# Altium PCB PCB1.PcbDoc (part 4 of 4)
Units mm, origin at the board's own origin, x right, y up, seen from the top; angles counter-clockwise.
Board outline 330.2 x 176.28 mm, 2 copper layers (Top Layer, Bottom Layer); 535 components, 753 nets, 2972 pads, 0 vias.
Unrouted connection lines stored in the file: 384.
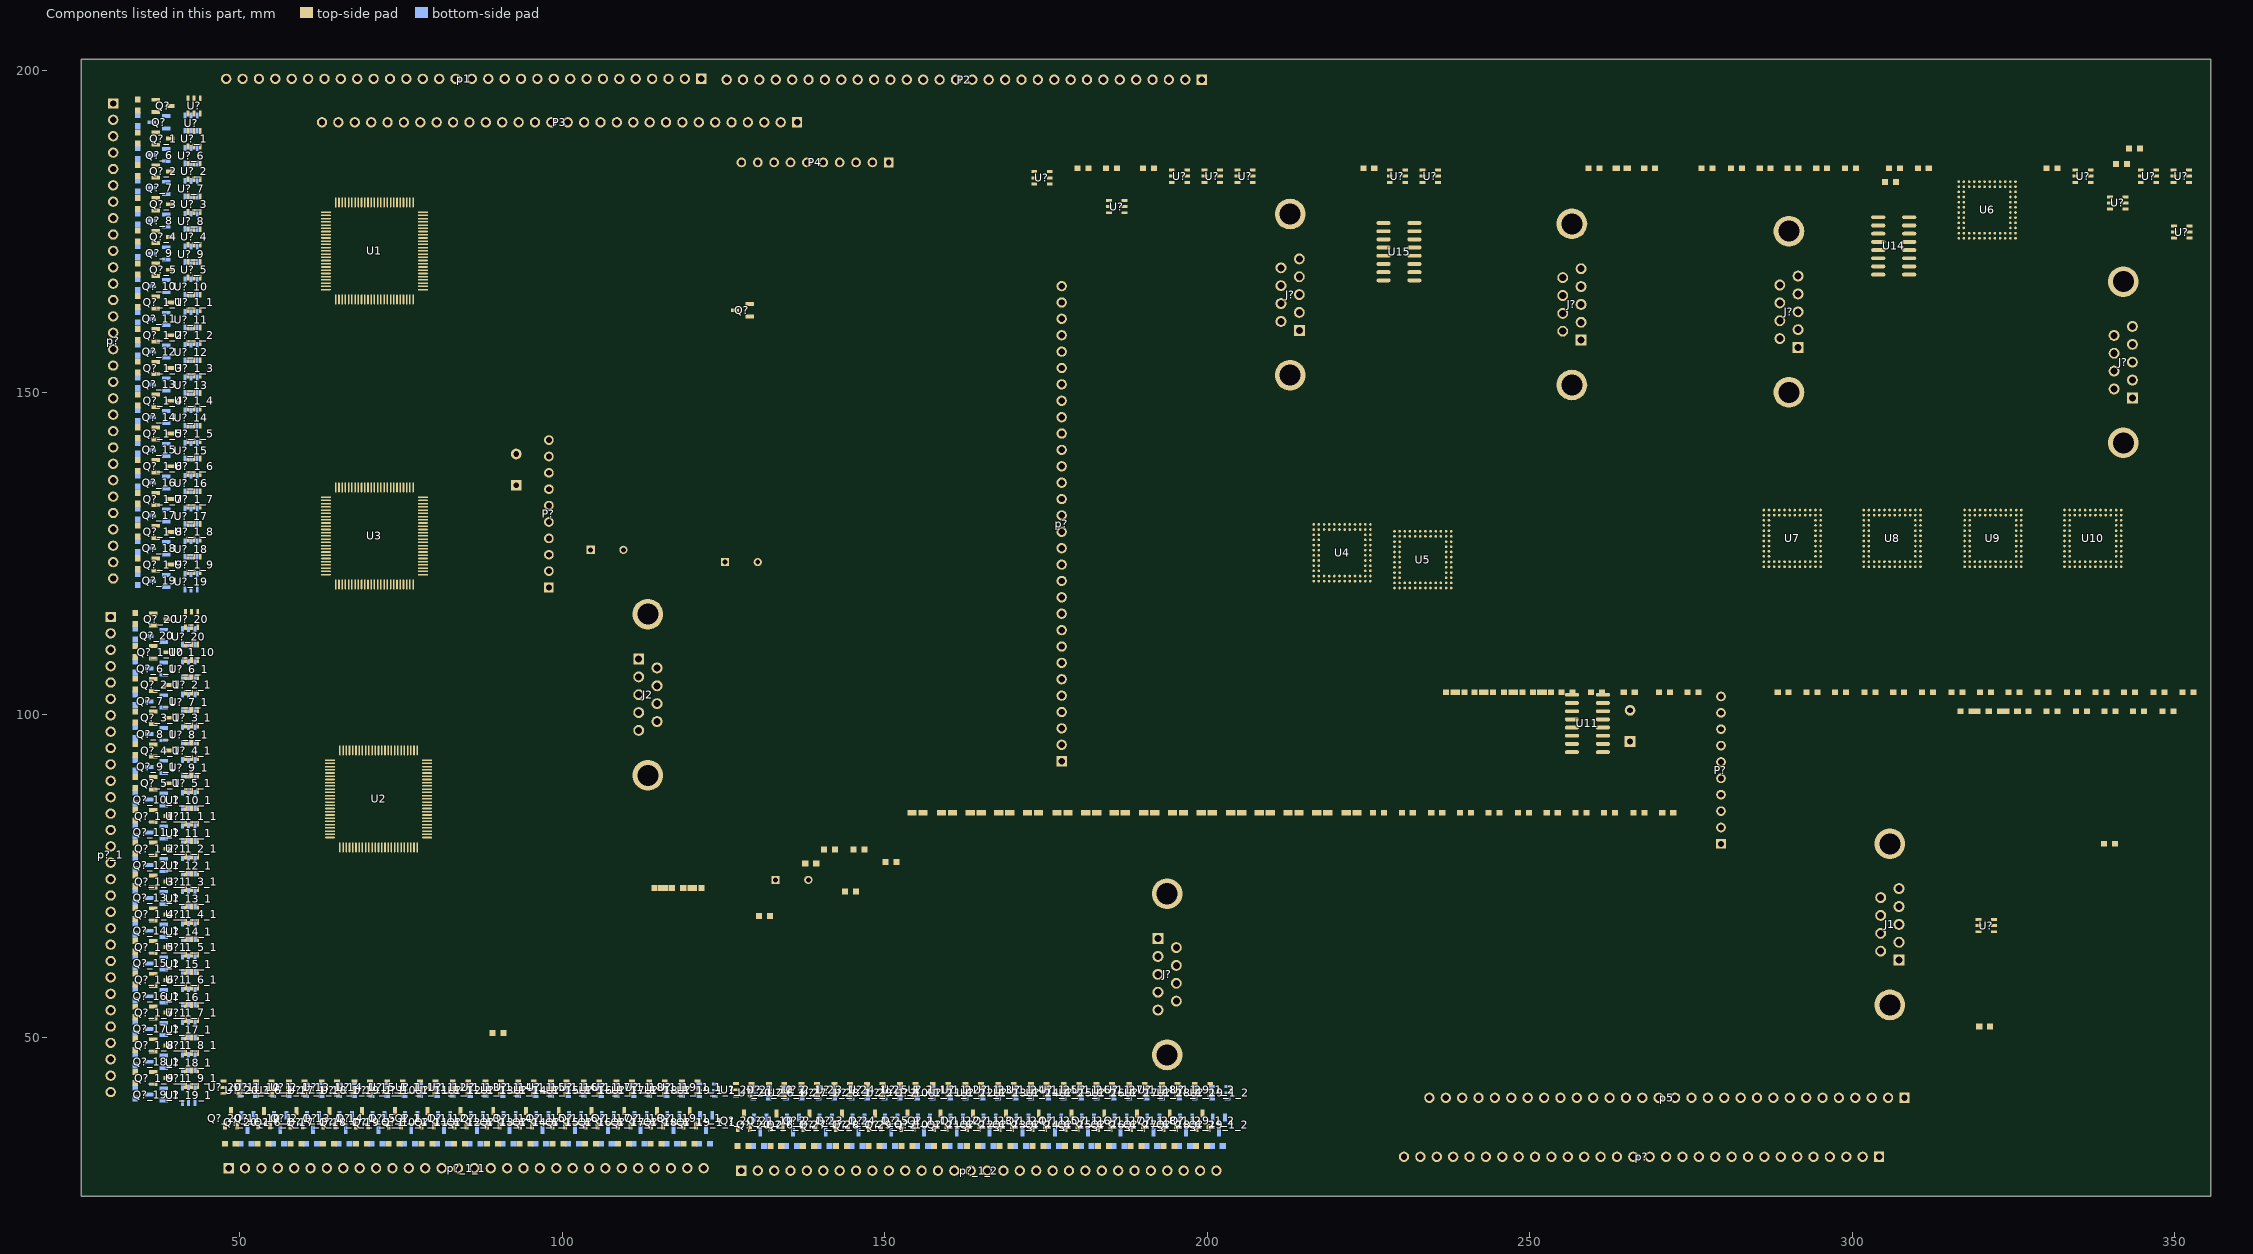
[diagram p4: the components of this part, seen from the top]

## Nets (pads, with @x,y where several pads share a name; then routed paths per layer and width w, separated by ;. In a path a pad name is that pad's centre, name@x,y a point inside that pad or via, vN(x,y) a via of type N, cw(c..) or ccw(c..) an arc to the next point about the centre after c; other vN are vias at no path point) (continued)
copper on no net: | length 3238.5
  Top Layer w0.254: 29.972,44.069 30.569,44.666 33.782,44.666 34.709,44.666 35.687,43.688 38.845,43.688 42.495,43.688 43.47,44.663 43.47,44.888 ; 29.972,49.149 30.569,49.746 33.782,49.746 34.709,49.746 35.687,48.768 38.845,48.768 42.495,48.768 43.47,49.743 43.47,49.968 ; 29.972,54.229 30.569,54.826 33.782,54.826 34.709,54.826 35.687,53.848 38.845,53.848 42.495,53.848 43.47,54.823 43.47,55.048 ; 29.972,59.309 30.569,59.906 33.782,59.906 34.709,59.906 35.687,58.928 38.845,58.928 42.495,58.928 43.47,59.903 43.47,60.128 ; 29.972,64.389 30.569,64.986 33.782,64.986 34.709,64.986 35.687,64.008 38.845,64.008 42.495,64.008 43.47,64.983 43.47,65.208 ; 29.972,69.469 30.569,70.066 33.782,70.066 34.709,70.066 35.687,69.088 38.845,69.088 42.495,69.088 43.47,70.063 43.47,70.288 ; 29.972,74.549 30.569,75.146 33.782,75.146 34.709,75.146 35.687,74.168 38.845,74.168 42.495,74.168 43.47,75.143 43.47,75.368 ; 29.972,79.629 30.569,80.226 33.782,80.226 34.709,80.226 35.687,79.248 38.845,79.248 42.495,79.248 43.47,80.223 43.47,80.448 ; 29.972,84.709 30.569,85.306 33.782,85.306 34.709,85.306 35.687,84.328 38.845,84.328 42.495,84.328 43.47,85.303 43.47,85.528 ; 29.972,110.109 30.569,110.706 33.782,110.706 34.709,110.706 35.687,109.728 38.845,109.728 42.495,109.728 43.47,110.703 43.47,110.928 ; 29.972,115.189 30.569,115.786 33.782,115.786 34.709,115.786 35.687,114.808 38.845,114.808 42.495,114.808 43.47,115.783 43.47,116.008 ; 30.569,90.386 33.782,90.386 34.709,90.386 35.687,89.408 38.845,89.408 42.495,89.408 43.47,90.383 43.47,90.608 ; 30.569,95.466 33.782,95.466 34.709,95.466 35.687,94.488 38.845,94.488 42.495,94.488 43.47,95.463 43.47,95.688 ; 30.569,100.546 33.782,100.546 34.709,100.546 35.687,99.568 38.845,99.568 42.495,99.568 43.47,100.543 43.47,100.768 ; 30.569,105.626 33.782,105.626 34.709,105.626 35.687,104.648 38.845,104.648 42.495,104.648 43.47,105.623 43.47,105.848 ; 33.782,42.964 33.782,42.939 34.099,42.621 34.125,42.621 35.217,41.529 41.786,41.529 42.52,42.263 42.52,42.488 ; 33.782,48.044 33.782,48.019 34.099,47.701 34.125,47.701 35.217,46.609 41.786,46.609 42.52,47.343 42.52,47.568 ; 33.782,53.124 33.782,53.099 34.099,52.781 34.125,52.781 35.217,51.689 41.786,51.689 42.52,52.423 42.52,52.648 ; 33.782,58.204 33.782,58.179 34.099,57.861 34.125,57.861 35.217,56.769 41.786,56.769 42.52,57.503 42.52,57.728 ; 33.782,63.284 33.782,63.259 34.099,62.941 34.125,62.941 35.217,61.849 41.786,61.849 42.52,62.583 42.52,62.808 ; 33.782,68.364 33.782,68.339 34.099,68.021 34.125,68.021 35.217,66.929 41.786,66.929 42.52,67.663 42.52,67.888 ; 33.782,73.444 33.782,73.419 34.099,73.101 34.125,73.101 35.217,72.009 41.786,72.009 42.52,72.743 42.52,72.968 ; 33.782,78.524 33.782,78.499 34.099,78.181 34.125,78.181 35.217,77.089 41.786,77.089 42.52,77.823 42.52,78.048 ; 33.782,83.604 33.782,83.579 34.099,83.261 34.125,83.261 35.217,82.169 41.786,82.169 42.52,82.903 42.52,83.128 ; 33.782,88.684 33.782,88.659 34.099,88.341 34.125,88.341 35.217,87.249 41.786,87.249 42.52,87.983 42.52,88.208 ; 33.782,93.764 33.782,93.739 34.099,93.421 34.125,93.421 35.217,92.329 41.786,92.329 42.52,93.063 42.52,93.288 ; 33.782,98.844 33.782,98.819 34.099,98.501 34.125,98.501 35.217,97.409 41.786,97.409 42.52,98.143 42.52,98.368 ; 33.782,103.924 33.782,103.899 34.099,103.581 34.125,103.581 35.217,102.489 41.786,102.489 42.52,103.223 42.52,103.448 ; 33.782,109.004 33.782,108.979 34.099,108.661 34.125,108.661 35.217,107.569 41.786,107.569 42.52,108.303 42.52,108.528 ; 33.782,114.084 33.782,114.059 34.099,113.741 34.125,113.741 35.217,112.649 41.786,112.649 42.52,113.383 42.52,113.608 ; 34.163,122.593 34.163,122.568 34.48,122.25 34.506,122.25 35.598,121.158 42.167,121.158 42.901,121.892 42.901,122.117 ; 34.163,127.673 34.163,127.648 34.48,127.33 34.506,127.33 35.598,126.238 42.167,126.238 42.901,126.972 42.901,127.197 ; 34.163,132.753 34.163,132.728 34.48,132.41 34.506,132.41 35.598,131.318 42.167,131.318 42.901,132.052 42.901,132.277 ; 34.163,137.833 34.163,137.808 34.48,137.49 34.506,137.49 35.598,136.398 42.167,136.398 42.901,137.132 42.901,137.357 ; 34.163,142.913 34.163,142.888 34.48,142.57 34.506,142.57 35.598,141.478 42.167,141.478 42.901,142.212 42.901,142.437 ; 34.163,147.993 34.163,147.968 34.48,147.65 34.506,147.65 35.598,146.558 42.167,146.558 42.901,147.292 42.901,147.517 ; 34.163,153.073 34.163,153.048 34.48,152.73 34.506,152.73 35.598,151.638 42.167,151.638 42.901,152.372 42.901,152.597 ; 34.163,158.153 34.163,158.128 34.48,157.81 34.506,157.81 35.598,156.718 42.167,156.718 42.901,157.452 42.901,157.677 ; 34.163,163.233 34.163,163.208 34.48,162.89 34.506,162.89 35.598,161.798 42.167,161.798 42.901,162.532 42.901,162.757 ; 34.163,168.313 34.163,168.288 34.48,167.97 34.506,167.97 35.598,166.878 42.167,166.878 42.901,167.612 42.901,167.837 ; 34.163,173.393 34.163,173.368 34.48,173.05 34.506,173.05 35.598,171.958 42.167,171.958 42.901,172.692 42.901,172.917 ; 34.163,178.473 34.163,178.448 34.48,178.13 34.506,178.13 35.598,177.038 42.167,177.038 42.901,177.772 42.901,177.997 ; 34.163,183.553 34.163,183.528 34.48,183.21 34.506,183.21 35.598,182.118 42.167,182.118 42.901,182.852 42.901,183.077 ; 34.163,188.633 34.163,188.608 34.48,188.29 34.506,188.29 35.598,187.198 42.167,187.198 42.901,187.932 42.901,188.157 ; 36.593,42.738 40.701,42.738 41.021,42.418 41.141,42.418 ; 36.593,44.638 41.472,44.638 41.57,44.736 41.57,44.888 ; 36.593,47.818 40.701,47.818 41.021,47.498 41.141,47.498 ; 36.593,49.718 41.472,49.718 41.57,49.816 41.57,49.968 ; 36.593,52.898 40.701,52.898 41.021,52.578 41.141,52.578 ; 36.593,54.798 41.472,54.798 41.57,54.896 41.57,55.048 ; 36.593,57.978 40.701,57.978 41.021,57.658 41.141,57.658 ; 36.593,59.878 41.472,59.878 41.57,59.976 41.57,60.128 ; 36.593,63.058 40.701,63.058 41.021,62.738 41.141,62.738 ; 36.593,64.958 41.472,64.958 41.57,65.056 41.57,65.208 ; 36.593,68.138 40.701,68.138 41.021,67.818 41.141,67.818 ; 36.593,70.038 41.472,70.038 41.57,70.136 41.57,70.288 ; 36.593,73.218 40.701,73.218 41.021,72.898 41.141,72.898 ; 36.593,75.118 41.472,75.118 41.57,75.216 41.57,75.368 ; 36.593,78.298 40.701,78.298 41.021,77.978 41.141,77.978 ; 36.593,80.198 41.472,80.198 41.57,80.296 41.57,80.448 ; 36.593,83.378 40.701,83.378 41.021,83.058 41.141,83.058 ; 36.593,85.278 41.472,85.278 41.57,85.376 41.57,85.528 ; 36.593,88.458 40.701,88.458 41.021,88.138 41.141,88.138 ; 36.593,90.358 41.472,90.358 41.57,90.456 41.57,90.608 ; 36.593,93.538 40.701,93.538 41.021,93.218 41.141,93.218 ; 36.593,95.438 41.472,95.438 41.57,95.536 41.57,95.688 ; 36.593,98.618 40.701,98.618 41.021,98.298 41.141,98.298 ; 36.593,100.518 41.472,100.518 41.57,100.616 41.57,100.768 ; 36.593,103.698 40.701,103.698 41.021,103.378 41.141,103.378 ; 36.593,105.598 41.472,105.598 41.57,105.696 41.57,105.848 ; 36.593,108.778 40.701,108.778 41.021,108.458 41.141,108.458 ; 36.593,110.678 41.472,110.678 41.57,110.776 41.57,110.928 ; 36.593,113.858 40.701,113.858 41.021,113.538 41.141,113.538 ; 36.593,115.758 41.472,115.758 41.57,115.856 41.57,116.008 ; 36.974,122.367 41.082,122.367 41.402,122.047 41.522,122.047 ; 36.974,124.267 41.853,124.267 41.951,124.365 41.951,124.517 ; 36.974,127.447 41.082,127.447 41.402,127.127 41.522,127.127 ; 36.974,129.347 41.853,129.347 41.951,129.445 41.951,129.597 ; 36.974,132.527 41.082,132.527 41.402,132.207 41.522,132.207 ; 36.974,134.427 41.853,134.427 41.951,134.525 41.951,134.677 ; 36.974,137.607 41.082,137.607 41.402,137.287 41.522,137.287 ; 36.974,139.507 41.853,139.507 41.951,139.605 41.951,139.757 ; 36.974,142.687 41.082,142.687 41.402,142.367 41.522,142.367 ; 36.974,144.587 41.853,144.587 41.951,144.685 41.951,144.837 ; 36.974,147.767 41.082,147.767 41.402,147.447 41.522,147.447 ; 36.974,149.667 41.853,149.667 41.951,149.765 41.951,149.917 ; 36.974,152.847 41.082,152.847 41.402,152.527 41.522,152.527 ; 36.974,154.747 41.853,154.747 41.951,154.845 41.951,154.997 ; 36.974,157.927 41.082,157.927 41.402,157.607 41.522,157.607 ; 36.974,159.827 41.853,159.827 41.951,159.925 41.951,160.077 ; 36.974,163.007 41.082,163.007 41.402,162.687 41.522,162.687 ; 36.974,164.907 41.853,164.907 41.951,165.005 41.951,165.157 ; 36.974,168.087 41.082,168.087 41.402,167.767 41.522,167.767 ; 36.974,169.987 41.853,169.987 41.951,170.085 41.951,170.237 ; 36.974,173.167 41.082,173.167 41.402,172.847 41.522,172.847 ; 36.974,175.067 41.853,175.067 41.951,175.165 41.951,175.317 ; 36.974,178.247 41.082,178.247 41.402,177.927 41.522,177.927 ; 36.974,180.147 41.853,180.147 41.951,180.245 41.951,180.397 ; 36.974,183.327 41.082,183.327 41.402,183.007 41.522,183.007 ; 36.974,185.227 41.853,185.227 41.951,185.325 41.951,185.477 ; 36.974,188.407 41.082,188.407 41.402,188.087 41.522,188.087 ; 36.974,190.307 41.853,190.307 41.951,190.405 41.951,190.557 ; 36.974,193.487 41.082,193.487 41.402,193.167 41.522,193.167 ; 47.441,41.316 47.593,41.316 47.691,41.218 47.691,36.339 ; 47.441,43.216 47.666,43.216 48.641,42.241 48.641,38.591 48.641,35.433 47.663,34.455 47.663,33.528 47.663,30.315 48.26,29.718 ; 49.365,33.528 49.39,33.528 49.708,33.845 49.708,33.871 50.8,34.963 50.8,41.532 50.066,42.266 49.841,42.266 ; 49.591,36.339 49.591,40.447 49.911,40.767 49.911,40.887 ; 52.521,41.316 52.673,41.316 52.771,41.218 52.771,36.339 ; 52.521,43.216 52.746,43.216 53.721,42.241 53.721,38.591 53.721,35.433 52.743,34.455 52.743,33.528 52.743,30.315 53.34,29.718 ; 54.445,33.528 54.47,33.528 54.788,33.845 54.788,33.871 55.88,34.963 55.88,41.532 55.146,42.266 54.921,42.266 ; 54.671,36.339 54.671,40.447 54.991,40.767 54.991,40.887 ; 57.601,41.316 57.753,41.316 57.851,41.218 57.851,36.339 ; 57.601,43.216 57.826,43.216 58.801,42.241 58.801,38.591 58.801,35.433 57.823,34.455 57.823,33.528 57.823,30.315 ; 59.525,33.528 59.55,33.528 59.868,33.845 59.868,33.871 60.96,34.963 60.96,41.532 60.226,42.266 60.001,42.266 ; 59.751,36.339 59.751,40.447 60.071,40.767 60.071,40.887 ; 62.681,41.316 62.833,41.316 62.931,41.218 62.931,36.339 ; 62.681,43.216 62.906,43.216 63.881,42.241 63.881,38.591 63.881,35.433 62.903,34.455 62.903,33.528 62.903,30.315 ; 64.605,33.528 64.63,33.528 64.948,33.845 64.948,33.871 66.04,34.963 66.04,41.532 65.306,42.266 65.081,42.266 ; 64.831,36.339 64.831,40.447 65.151,40.767 65.151,40.887 ; 67.761,41.316 67.913,41.316 68.011,41.218 68.011,36.339 ; 67.761,43.216 67.986,43.216 68.961,42.241 68.961,38.591 68.961,35.433 67.983,34.455 67.983,33.528 67.983,30.315 ; 69.685,33.528 69.71,33.528 70.028,33.845 70.028,33.871 71.12,34.963 71.12,41.532 70.386,42.266 70.161,42.266 ; 69.911,36.339 69.911,40.447 70.231,40.767 70.231,40.887 ; 72.841,41.316 72.993,41.316 73.091,41.218 73.091,36.339 ; 72.841,43.216 73.066,43.216 74.041,42.241 74.041,38.591 74.041,35.433 73.063,34.455 73.063,33.528 73.063,30.315 ; 74.765,33.528 74.79,33.528 75.108,33.845 75.108,33.871 76.2,34.963 76.2,41.532 75.466,42.266 75.241,42.266 ; 74.991,36.339 74.991,40.447 75.311,40.767 75.311,40.887 ; 77.921,41.316 78.073,41.316 78.171,41.218 78.171,36.339 ; 77.921,43.216 78.146,43.216 79.121,42.241 79.121,38.591 79.121,35.433 78.143,34.455 78.143,33.528 78.143,30.315 78.74,29.718 ; 79.845,33.528 79.87,33.528 80.188,33.845 80.188,33.871 81.28,34.963 81.28,41.532 80.546,42.266 80.321,42.266 ; 80.071,36.339 80.071,40.447 80.391,40.767 80.391,40.887 ; 83.001,41.316 83.153,41.316 83.251,41.218 83.251,36.339 ; 83.001,43.216 83.226,43.216 84.201,42.241 84.201,38.591 84.201,35.433 83.223,34.455 83.223,33.528 83.223,30.315 83.82,29.718 ; 84.925,33.528 84.95,33.528 85.268,33.845 85.268,33.871 86.36,34.963 86.36,41.532 85.626,42.266 85.401,42.266 ; 85.151,36.339 85.151,40.447 85.471,40.767 85.471,40.887 ; 88.081,41.316 88.233,41.316 88.331,41.218 88.331,36.339 ; 88.081,43.216 88.306,43.216 89.281,42.241 89.281,38.591 89.281,35.433 88.303,34.455 88.303,33.528 88.303,30.315 88.9,29.718 ; 90.005,33.528 90.03,33.528 90.348,33.845 90.348,33.871 91.44,34.963 91.44,41.532 90.706,42.266 90.481,42.266 ; 90.231,36.339 90.231,40.447 90.551,40.767 90.551,40.887 ; 93.161,41.316 93.313,41.316 93.411,41.218 93.411,36.339 ; 93.161,43.216 93.386,43.216 94.361,42.241 94.361,38.591 94.361,35.433 93.383,34.455 93.383,33.528 93.383,30.315 93.98,29.718 ; 95.085,33.528 95.11,33.528 95.428,33.845 95.428,33.871 96.52,34.963 96.52,41.532 95.786,42.266 95.561,42.266 ; 95.311,36.339 95.311,40.447 95.631,40.767 95.631,40.887 ; 98.241,41.316 98.393,41.316 98.491,41.218 98.491,36.339 ; 98.241,43.216 98.466,43.216 99.441,42.241 99.441,38.591 99.441,35.433 98.463,34.455 98.463,33.528 98.463,30.315 99.06,29.718 ; 100.165,33.528 100.19,33.528 100.508,33.845 100.508,33.871 101.6,34.963 101.6,41.532 100.866,42.266 100.641,42.266 ; 100.391,36.339 100.391,40.447 100.711,40.767 100.711,40.887 ; 103.321,41.316 103.473,41.316 103.571,41.218 103.571,36.339 ; 103.321,43.216 103.546,43.216 104.521,42.241 104.521,38.591 104.521,35.433 103.543,34.455 103.543,33.528 103.543,30.315 104.14,29.718 ; 105.245,33.528 105.27,33.528 105.588,33.845 105.588,33.871 106.68,34.963 106.68,41.532 105.946,42.266 105.721,42.266 ; 105.471,36.339 105.471,40.447 105.791,40.767 105.791,40.887 ; 108.401,41.316 108.553,41.316 108.651,41.218 108.651,36.339 ; 108.401,43.216 108.626,43.216 109.601,42.241 109.601,38.591 109.601,35.433 108.623,34.455 108.623,33.528 108.623,30.315 109.22,29.718 ; 110.325,33.528 110.35,33.528 110.668,33.845 110.668,33.871 111.76,34.963 111.76,41.532 111.026,42.266 110.801,42.266 ; 110.551,36.339 110.551,40.447 110.871,40.767 110.871,40.887 ; 113.481,41.316 113.633,41.316 113.731,41.218 113.731,36.339 ; 113.481,43.216 113.706,43.216 114.681,42.241 114.681,38.591 114.681,35.433 113.703,34.455 113.703,33.528 113.703,30.315 114.3,29.718 ; 115.405,33.528 115.43,33.528 115.748,33.845 115.748,33.871 116.84,34.963 116.84,41.532 116.106,42.266 115.881,42.266 ; 115.631,36.339 115.631,40.447 115.951,40.767 115.951,40.887 ; 118.561,41.316 118.713,41.316 118.811,41.218 118.811,36.339 ; 118.561,43.216 118.786,43.216 119.761,42.241 119.761,38.591 119.761,35.433 118.783,34.455 118.783,33.528 118.783,30.315 119.38,29.718 ; 120.485,33.528 120.51,33.528 120.828,33.845 120.828,33.871 121.92,34.963 121.92,41.532 121.186,42.266 120.961,42.266 ; 120.711,36.339 120.711,40.447 121.031,40.767 121.031,40.887 ; 126.943,40.935 127.095,40.935 127.193,40.837 127.193,35.958 ; 126.943,42.835 127.168,42.835 128.143,41.86 128.143,38.21 128.143,35.052 127.165,34.074 127.165,33.147 127.165,29.934 127.762,29.337 ; 128.867,33.147 128.892,33.147 129.21,33.464 129.21,33.49 130.302,34.582 130.302,41.151 129.568,41.885 129.343,41.885 ; 129.093,35.958 129.093,40.066 129.413,40.386 129.413,40.506 ; 132.023,40.935 132.175,40.935 132.273,40.837 132.273,35.958 ; 132.023,42.835 132.248,42.835 133.223,41.86 133.223,38.21 133.223,35.052 132.245,34.074 132.245,33.147 132.245,29.934 132.842,29.337 ; 133.947,33.147 133.972,33.147 134.29,33.464 134.29,33.49 135.382,34.582 135.382,41.151 134.648,41.885 134.423,41.885 ; 134.173,35.958 134.173,40.066 134.493,40.386 134.493,40.506 ; 137.103,40.935 137.255,40.935 137.353,40.837 137.353,35.958 ; 137.103,42.835 137.328,42.835 138.303,41.86 138.303,38.21 138.303,35.052 137.325,34.074 137.325,33.147 137.325,29.934 ; 139.027,33.147 139.052,33.147 139.37,33.464 139.37,33.49 140.462,34.582 140.462,41.151 139.728,41.885 139.503,41.885 ; 139.253,35.958 139.253,40.066 139.573,40.386 139.573,40.506 ; 142.183,40.935 142.335,40.935 142.433,40.837 142.433,35.958 ; 142.183,42.835 142.408,42.835 143.383,41.86 143.383,38.21 143.383,35.052 142.405,34.074 142.405,33.147 142.405,29.934 ; 144.107,33.147 144.132,33.147 144.45,33.464 144.45,33.49 145.542,34.582 145.542,41.151 144.808,41.885 144.583,41.885 ; 144.333,35.958 144.333,40.066 144.653,40.386 144.653,40.506 ; 147.263,40.935 147.415,40.935 147.513,40.837 147.513,35.958 ; 147.263,42.835 147.488,42.835 148.463,41.86 148.463,38.21 148.463,35.052 147.485,34.074 147.485,33.147 147.485,29.934 ; 149.187,33.147 149.212,33.147 149.53,33.464 149.53,33.49 150.622,34.582 150.622,41.151 149.888,41.885 149.663,41.885 ; 149.413,35.958 149.413,40.066 149.733,40.386 149.733,40.506 ; 152.343,40.935 152.495,40.935 152.593,40.837 152.593,35.958 ; 152.343,42.835 152.568,42.835 153.543,41.86 153.543,38.21 153.543,35.052 152.565,34.074 152.565,33.147 152.565,29.934 ; 154.267,33.147 154.292,33.147 154.61,33.464 154.61,33.49 155.702,34.582 155.702,41.151 154.968,41.885 154.743,41.885 ; 154.493,35.958 154.493,40.066 154.813,40.386 154.813,40.506 ; 157.423,40.935 157.575,40.935 157.673,40.837 157.673,35.958 ; 157.423,42.835 157.648,42.835 158.623,41.86 158.623,38.21 158.623,35.052 157.645,34.074 157.645,33.147 157.645,29.934 158.242,29.337 ; 159.347,33.147 159.372,33.147 159.69,33.464 159.69,33.49 160.782,34.582 160.782,41.151 160.048,41.885 159.823,41.885 ; 159.573,35.958 159.573,40.066 159.893,40.386 159.893,40.506 ; 162.503,40.935 162.655,40.935 162.753,40.837 162.753,35.958 ; 162.503,42.835 162.728,42.835 163.703,41.86 163.703,38.21 163.703,35.052 162.725,34.074 162.725,33.147 162.725,29.934 163.322,29.337 ; 164.427,33.147 164.452,33.147 164.77,33.464 164.77,33.49 165.862,34.582 165.862,41.151 165.128,41.885 164.903,41.885 ; 164.653,35.958 164.653,40.066 164.973,40.386 164.973,40.506 ; 167.583,40.935 167.735,40.935 167.833,40.837 167.833,35.958 ; 167.583,42.835 167.808,42.835 168.783,41.86 168.783,38.21 168.783,35.052 167.805,34.074 167.805,33.147 167.805,29.934 168.402,29.337 ; 169.507,33.147 169.532,33.147 169.85,33.464 169.85,33.49 170.942,34.582 170.942,41.151 170.208,41.885 169.983,41.885 ; 169.733,35.958 169.733,40.066 170.053,40.386 170.053,40.506 ; 172.663,40.935 172.815,40.935 172.913,40.837 172.913,35.958 ; 172.663,42.835 172.888,42.835 173.863,41.86 173.863,38.21 173.863,35.052 172.885,34.074 172.885,33.147 172.885,29.934 173.482,29.337 ; 174.587,33.147 174.612,33.147 174.93,33.464 174.93,33.49 176.022,34.582 176.022,41.151 175.288,41.885 175.063,41.885 ; 174.813,35.958 174.813,40.066 175.133,40.386 175.133,40.506 ; 177.743,40.935 177.895,40.935 177.993,40.837 177.993,35.958 ; 177.743,42.835 177.968,42.835 178.943,41.86 178.943,38.21 178.943,35.052 177.965,34.074 177.965,33.147 177.965,29.934 178.562,29.337 ; 179.667,33.147 179.692,33.147 180.01,33.464 180.01,33.49 181.102,34.582 181.102,41.151 180.368,41.885 180.143,41.885 ; 179.893,35.958 179.893,40.066 180.213,40.386 180.213,40.506 ; 182.823,40.935 182.975,40.935 183.073,40.837 183.073,35.958 ; 182.823,42.835 183.048,42.835 184.023,41.86 184.023,38.21 184.023,35.052 183.045,34.074 183.045,33.147 183.045,29.934 183.642,29.337 ; 184.747,33.147 184.772,33.147 185.09,33.464 185.09,33.49 186.182,34.582 186.182,41.151 185.448,41.885 185.223,41.885 ; 184.973,35.958 184.973,40.066 185.293,40.386 185.293,40.506 ; 187.903,40.935 188.055,40.935 188.153,40.837 188.153,35.958 ; 187.903,42.835 188.128,42.835 189.103,41.86 189.103,38.21 189.103,35.052 188.125,34.074 188.125,33.147 188.125,29.934 188.722,29.337 ; 189.827,33.147 189.852,33.147 190.17,33.464 190.17,33.49 191.262,34.582 191.262,41.151 190.528,41.885 190.303,41.885 ; 190.053,35.958 190.053,40.066 190.373,40.386 190.373,40.506 ; 192.983,40.935 193.135,40.935 193.233,40.837 193.233,35.958 ; 192.983,42.835 193.208,42.835 194.183,41.86 194.183,38.21 194.183,35.052 193.205,34.074 193.205,33.147 193.205,29.934 193.802,29.337 ; 194.907,33.147 194.932,33.147 195.25,33.464 195.25,33.49 196.342,34.582 196.342,41.151 195.608,41.885 195.383,41.885 ; 195.133,35.958 195.133,40.066 195.453,40.386 195.453,40.506 ; 198.063,40.935 198.215,40.935 198.313,40.837 198.313,35.958 ; 198.063,42.835 198.288,42.835 199.263,41.86 199.263,38.21 199.263,35.052 198.285,34.074 198.285,33.147 198.285,29.934 198.882,29.337 ; 199.987,33.147 200.012,33.147 200.33,33.464 200.33,33.49 201.422,34.582 201.422,41.151 200.688,41.885 200.463,41.885 ; 200.213,35.958 200.213,40.066 200.533,40.386 200.533,40.506
  Bottom Layer w0.254: 29.972,41.529 33.084,41.529 33.782,42.227 34.861,41.148 35.958,41.148 40.039,41.148 40.789,41.898 ; 29.972,46.609 33.084,46.609 33.782,47.307 34.861,46.228 35.958,46.228 40.039,46.228 40.789,46.978 ; 29.972,51.689 33.084,51.689 33.782,52.387 34.861,51.308 35.958,51.308 40.039,51.308 40.789,52.058 ; 29.972,56.769 33.084,56.769 33.782,57.468 34.861,56.388 35.958,56.388 40.039,56.388 40.789,57.138 ; 29.972,61.849 33.084,61.849 33.782,62.547 34.861,61.468 35.958,61.468 40.039,61.468 40.789,62.218 ; 29.972,66.929 33.084,66.929 33.782,67.627 34.861,66.548 35.958,66.548 40.039,66.548 40.789,67.298 ; 29.972,72.009 33.084,72.009 33.782,72.707 34.861,71.628 35.958,71.628 40.039,71.628 40.789,72.378 ; 29.972,77.089 33.084,77.089 33.782,77.787 34.861,76.708 35.958,76.708 40.039,76.708 40.789,77.458 ; 29.972,82.169 33.084,82.169 33.782,82.867 34.861,81.788 35.958,81.788 40.039,81.788 40.789,82.538 ; 29.972,87.249 33.084,87.249 33.782,87.947 34.861,86.868 35.958,86.868 40.039,86.868 40.789,87.618 ; 29.972,92.329 33.084,92.329 33.782,93.027 34.861,91.948 35.958,91.948 40.039,91.948 40.789,92.698 ; 29.972,97.409 33.084,97.409 33.782,98.108 34.861,97.028 35.958,97.028 40.039,97.028 40.789,97.778 ; 29.972,102.489 33.084,102.489 33.782,103.188 34.861,102.108 35.958,102.108 40.039,102.108 40.789,102.858 ; 29.972,107.569 33.084,107.569 33.782,108.267 34.861,107.188 35.958,107.188 40.039,107.188 40.789,107.938 ; 29.972,112.649 33.084,112.649 33.782,113.347 ; 33.782,111.671 33.782,111.646 34.1,111.328 34.125,111.328 35.598,109.855 41.201,109.855 42.062,110.716 42.062,110.941 ; 33.782,113.373 33.782,113.347 ; 34.125,40.208 35.598,38.735 41.201,38.735 42.062,39.596 ; 34.125,45.288 35.598,43.815 41.201,43.815 42.062,44.676 ; 34.125,50.368 35.598,48.895 41.201,48.895 42.062,49.756 ; 34.125,55.448 35.598,53.975 41.201,53.975 42.062,54.836 ; 34.125,60.528 35.598,59.055 41.201,59.055 42.062,59.916 ; 34.125,65.608 35.598,64.135 41.201,64.135 42.062,64.996 ; 34.125,70.688 35.598,69.215 41.201,69.215 42.062,70.076 ; 34.125,75.768 35.598,74.295 41.201,74.295 42.062,75.156 ; 34.125,80.848 35.598,79.375 41.201,79.375 42.062,80.236 ; 34.125,85.928 35.598,84.455 41.201,84.455 42.062,85.316 ; 34.125,91.008 35.598,89.535 41.201,89.535 42.062,90.396 ; 34.125,96.088 35.598,94.615 41.201,94.615 42.062,95.476 ; 34.125,101.168 35.598,99.695 41.201,99.695 42.062,100.556 ; 34.125,106.248 35.598,104.775 41.201,104.775 42.062,105.636 ; 34.506,119.837 35.979,118.364 41.582,118.364 42.443,119.225 ; 34.506,124.917 35.979,123.444 41.582,123.444 42.443,124.305 ; 34.506,129.997 35.979,128.524 41.582,128.524 42.443,129.385 ; 34.506,135.077 35.979,133.604 41.582,133.604 42.443,134.465 ; 34.506,140.157 35.979,138.684 41.582,138.684 42.443,139.545 ; 34.506,145.237 35.979,143.764 41.582,143.764 42.443,144.625 ; 34.506,150.317 35.979,148.844 41.582,148.844 42.443,149.705 ; 34.506,155.397 35.979,153.924 41.582,153.924 42.443,154.785 ; 34.506,160.477 35.979,159.004 41.582,159.004 42.443,159.865 ; 34.506,165.557 35.979,164.084 41.582,164.084 42.443,164.945 ; 34.506,170.637 35.979,169.164 41.582,169.164 42.443,170.025 ; 34.506,175.717 35.979,174.244 41.582,174.244 42.443,175.105 ; 34.506,180.797 35.979,179.324 41.582,179.324 42.443,180.185 ; 34.506,185.877 35.979,184.404 41.582,184.404 42.443,185.265 ; 38.21,113.218 38.56,113.218 39.896,114.554 42.545,114.554 43.012,114.087 43.012,113.341 ; 38.56,42.098 39.896,43.434 42.545,43.434 43.012,42.967 43.012,42.221 ; 38.56,47.178 39.896,48.514 42.545,48.514 43.012,48.047 43.012,47.301 ; 38.56,52.258 39.896,53.594 42.545,53.594 43.012,53.127 43.012,52.381 ; 38.56,57.338 39.896,58.674 42.545,58.674 43.012,58.207 43.012,57.461 ; 38.56,62.418 39.896,63.754 42.545,63.754 43.012,63.287 43.012,62.541 ; 38.56,67.498 39.896,68.834 42.545,68.834 43.012,68.367 43.012,67.621 ; 38.56,72.578 39.896,73.914 42.545,73.914 43.012,73.447 43.012,72.701 ; 38.56,77.658 39.896,78.994 42.545,78.994 43.012,78.527 43.012,77.781 ; 38.56,82.738 39.896,84.074 42.545,84.074 43.012,83.607 43.012,82.861 ; 38.56,87.818 39.896,89.154 42.545,89.154 43.012,88.687 43.012,87.941 ; 38.56,92.898 39.896,94.234 42.545,94.234 43.012,93.767 43.012,93.021 ; 38.56,97.978 39.896,99.314 42.545,99.314 43.012,98.847 43.012,98.101 ; 38.56,103.058 39.896,104.394 42.545,104.394 43.012,103.927 43.012,103.181 ; 38.56,108.138 39.896,109.474 42.545,109.474 43.012,109.007 43.012,108.261 ; 38.941,121.727 40.277,123.063 42.926,123.063 43.393,122.596 43.393,121.85 ; 38.941,126.807 40.277,128.143 42.926,128.143 43.393,127.676 43.393,126.93 ; 38.941,131.887 40.277,133.223 42.926,133.223 43.393,132.756 43.393,132.01 ; 38.941,136.967 40.277,138.303 42.926,138.303 43.393,137.836 43.393,137.09 ; 38.941,142.047 40.277,143.383 42.926,143.383 43.393,142.916 43.393,142.17 ; 38.941,147.127 40.277,148.463 42.926,148.463 43.393,147.996 43.393,147.25 ; 38.941,152.207 40.277,153.543 42.926,153.543 43.393,153.076 43.393,152.33 ; 38.941,157.287 40.277,158.623 42.926,158.623 43.393,158.156 43.393,157.41 ; 38.941,162.367 40.277,163.703 42.926,163.703 43.393,163.236 43.393,162.49 ; 38.941,167.447 40.277,168.783 42.926,168.783 43.393,168.316 43.393,167.57 ; 38.941,172.527 40.277,173.863 42.926,173.863 43.393,173.396 43.393,172.65 ; 38.941,177.607 40.277,178.943 42.926,178.943 43.393,178.476 43.393,177.73 ; 38.941,182.687 40.277,184.023 42.926,184.023 43.393,183.556 43.393,182.81 ; 38.941,187.767 40.277,189.103 42.926,189.103 43.393,188.636 43.393,187.89 ; 41.112,113.341 41.112,113.116 41.014,113.018 40.789,113.018 40.039,112.268 35.958,112.268 34.861,112.268 33.782,113.347 ; 50.076,33.528 50.102,33.528 ; 50.108,40.858 50.333,40.858 50.431,40.76 50.431,40.535 51.181,39.785 51.181,35.704 51.181,34.607 50.102,33.528 ; 50.108,42.758 49.362,42.758 48.895,42.291 48.895,39.642 50.231,38.306 50.231,37.956 ; 50.8,29.718 50.8,32.83 50.102,33.528 ; 51.778,33.528 51.803,33.528 52.121,33.846 52.121,33.871 53.594,35.344 53.594,40.947 52.733,41.808 52.508,41.808 ; 55.188,42.758 54.442,42.758 53.975,42.291 53.975,39.642 55.311,38.306 ; 55.511,40.535 56.261,39.785 56.261,35.704 56.261,34.607 55.181,33.528 55.88,32.83 55.88,29.718 ; 57.201,33.871 58.674,35.344 58.674,40.947 57.813,41.808 ; 60.268,42.758 59.522,42.758 59.055,42.291 59.055,39.642 60.391,38.306 ; 60.591,40.535 61.341,39.785 61.341,35.704 61.341,34.607 60.261,33.528 60.96,32.83 60.96,29.718 ; 62.281,33.871 63.754,35.344 63.754,40.947 62.893,41.808 ; 65.348,42.758 64.602,42.758 64.135,42.291 64.135,39.642 65.471,38.306 ; 65.671,40.535 66.421,39.785 66.421,35.704 66.421,34.607 65.341,33.528 66.04,32.83 66.04,29.718 ; 67.361,33.871 68.834,35.344 68.834,40.947 67.973,41.808 ; 70.428,42.758 69.682,42.758 69.215,42.291 69.215,39.642 70.551,38.306 ; 70.751,40.535 71.501,39.785 71.501,35.704 71.501,34.607 70.421,33.528 71.12,32.83 71.12,29.718 ; 72.441,33.871 73.914,35.344 73.914,40.947 73.053,41.808 ; 75.508,42.758 74.762,42.758 74.295,42.291 74.295,39.642 75.631,38.306 ; 75.831,40.535 76.581,39.785 76.581,35.704 76.581,34.607 75.501,33.528 76.2,32.83 76.2,29.718 ; 77.521,33.871 78.994,35.344 78.994,40.947 78.133,41.808 ; 80.588,42.758 79.842,42.758 79.375,42.291 79.375,39.642 80.711,38.306 ; 80.911,40.535 81.661,39.785 81.661,35.704 81.661,34.607 80.581,33.528 81.28,32.83 81.28,29.718 ; 82.601,33.871 84.074,35.344 84.074,40.947 83.213,41.808 ; 85.668,42.758 84.922,42.758 84.455,42.291 84.455,39.642 85.791,38.306 ; 85.991,40.535 86.741,39.785 86.741,35.704 86.741,34.607 85.661,33.528 86.36,32.83 86.36,29.718 ; 87.681,33.871 89.154,35.344 89.154,40.947 88.293,41.808 ; 90.748,42.758 90.002,42.758 89.535,42.291 89.535,39.642 90.871,38.306 ; 91.071,40.535 91.821,39.785 91.821,35.704 91.821,34.607 90.742,33.528 91.44,32.83 91.44,29.718 ; 92.761,33.871 94.234,35.344 94.234,40.947 93.373,41.808 ; 95.828,42.758 95.082,42.758 94.615,42.291 94.615,39.642 95.951,38.306 ; 96.151,40.535 96.901,39.785 96.901,35.704 96.901,34.607 95.822,33.528 96.52,32.83 96.52,29.718 ; 97.841,33.871 99.314,35.344 99.314,40.947 98.453,41.808 ; 100.908,42.758 100.162,42.758 99.695,42.291 99.695,39.642 101.031,38.306 ; 101.231,40.535 101.981,39.785 101.981,35.704 101.981,34.607 100.901,33.528 101.6,32.83 101.6,29.718 ; 102.921,33.871 104.394,35.344 104.394,40.947 103.533,41.808 ; 105.988,42.758 105.242,42.758 104.775,42.291 104.775,39.642 106.111,38.306 ; 106.311,40.535 107.061,39.785 107.061,35.704 107.061,34.607 105.981,33.528 106.68,32.83 106.68,29.718 ; 108.001,33.871 109.474,35.344 109.474,40.947 108.613,41.808 ; 111.068,42.758 110.322,42.758 109.855,42.291 109.855,39.642 111.191,38.306 ; 111.391,40.535 112.141,39.785 112.141,35.704 112.141,34.607 111.061,33.528 111.76,32.83 111.76,29.718 ; 113.081,33.871 114.554,35.344 114.554,40.947 113.693,41.808 ; 116.148,42.758 115.402,42.758 114.935,42.291 114.935,39.642 116.271,38.306 ; 116.471,40.535 117.221,39.785 117.221,35.704 117.221,34.607 116.141,33.528 116.84,32.83 116.84,29.718 ; 118.161,33.871 119.634,35.344 119.634,40.947 118.773,41.808 ; 121.228,42.758 120.482,42.758 120.015,42.291 120.015,39.642 121.351,38.306 ; 121.551,40.535 122.301,39.785 122.301,35.704 122.301,34.607 121.221,33.528 121.92,32.83 121.92,29.718 ; 123.241,33.871 124.714,35.344 124.714,40.947 123.853,41.808 ; 129.578,33.147 129.603,33.147 ; 129.61,40.477 129.835,40.477 129.933,40.379 129.933,40.154 130.683,39.404 130.683,35.323 130.683,34.226 129.603,33.147 ; 129.61,42.377 128.864,42.377 128.397,41.91 128.397,39.261 129.733,37.925 129.733,37.575 ; 130.302,29.337 130.302,32.449 129.603,33.147 ; 131.28,33.147 131.305,33.147 131.623,33.465 131.623,33.49 133.096,34.963 133.096,40.566 132.235,41.427 132.01,41.427 ; 134.69,42.377 133.944,42.377 133.477,41.91 133.477,39.261 134.813,37.925 ; 135.013,40.154 135.763,39.404 135.763,35.323 135.763,34.226 134.683,33.147 135.382,32.449 135.382,29.337 ; 136.703,33.49 138.176,34.963 138.176,40.566 137.315,41.427 ; 139.77,42.377 139.024,42.377 138.557,41.91 138.557,39.261 139.893,37.925 ; 140.093,40.154 140.843,39.404 140.843,35.323 140.843,34.226 139.763,33.147 140.462,32.449 140.462,29.337 ; 141.783,33.49 143.256,34.963 143.256,40.566 142.395,41.427 ; 144.85,42.377 144.104,42.377 143.637,41.91 143.637,39.261 144.973,37.925 ; 145.173,40.154 145.923,39.404 145.923,35.323 145.923,34.226 144.844,33.147 145.542,32.449 145.542,29.337 ; 146.863,33.49 148.336,34.963 148.336,40.566 147.475,41.427 ; 149.93,42.377 149.184,42.377 148.717,41.91 148.717,39.261 150.053,37.925 ; 150.253,40.154 151.003,39.404 151.003,35.323 151.003,34.226 149.923,33.147 150.622,32.449 150.622,29.337 ; 151.943,33.49 153.416,34.963 153.416,40.566 152.555,41.427 ; 155.01,42.377 154.264,42.377 153.797,41.91 153.797,39.261 155.133,37.925 ; 155.333,40.154 156.083,39.404 156.083,35.323 156.083,34.226 155.004,33.147 155.702,32.449 155.702,29.337 ; 157.023,33.49 158.496,34.963 158.496,40.566 157.635,41.427 ; 160.09,42.377 159.344,42.377 158.877,41.91 158.877,39.261 160.213,37.925 ; 160.413,40.154 161.163,39.404 161.163,35.323 161.163,34.226 160.083,33.147 160.782,32.449 160.782,29.337 ; 162.103,33.49 163.576,34.963 163.576,40.566 162.715,41.427 ; 165.17,42.377 164.424,42.377 163.957,41.91 163.957,39.261 165.293,37.925 ; 165.493,40.154 166.243,39.404 166.243,35.323 166.243,34.226 165.163,33.147 165.862,32.449 165.862,29.337 ; 167.183,33.49 168.656,34.963 168.656,40.566 167.795,41.427 ; 170.25,42.377 169.504,42.377 169.037,41.91 169.037,39.261 170.373,37.925 ; 170.573,40.154 171.323,39.404 171.323,35.323 171.323,34.226 170.243,33.147 170.942,32.449 170.942,29.337 ; 172.263,33.49 173.736,34.963 173.736,40.566 172.875,41.427 ; 175.33,42.377 174.584,42.377 174.117,41.91 174.117,39.261 175.453,37.925 ; 175.653,40.154 176.403,39.404 176.403,35.323 176.403,34.226 175.323,33.147 176.022,32.449 176.022,29.337 ; 177.343,33.49 178.816,34.963 178.816,40.566 177.955,41.427 ; 180.41,42.377 179.664,42.377 179.197,41.91 179.197,39.261 180.533,37.925 ; 180.733,40.154 181.483,39.404 181.483,35.323 181.483,34.226 180.403,33.147 181.102,32.449 181.102,29.337 ; 182.423,33.49 183.896,34.963 183.896,40.566 183.035,41.427 ; 185.49,42.377 184.744,42.377 184.277,41.91 184.277,39.261 185.613,37.925 ; 185.813,40.154 186.563,39.404 186.563,35.323 186.563,34.226 185.483,33.147 186.182,32.449 186.182,29.337 ; 187.503,33.49 188.976,34.963 188.976,40.566 188.115,41.427 ; 190.57,42.377 189.824,42.377 189.357,41.91 189.357,39.261 190.693,37.925 ; 190.893,40.154 191.643,39.404 191.643,35.323 191.643,34.226 190.564,33.147 191.262,32.449 191.262,29.337 ; 192.583,33.49 194.056,34.963 194.056,40.566 193.195,41.427 ; 195.65,42.377 194.904,42.377 194.437,41.91 194.437,39.261 195.773,37.925 ; 195.973,40.154 196.723,39.404 196.723,35.323 196.723,34.226 195.643,33.147 196.342,32.449 196.342,29.337 ; 197.663,33.49 199.136,34.963 199.136,40.566 198.275,41.427 ; 200.73,42.377 199.984,42.377 199.517,41.91 199.517,39.261 200.853,37.925 ; 201.053,40.154 201.803,39.404 201.803,35.323 201.803,34.226 200.724,33.147 201.422,32.449 201.422,29.337 ; 202.743,33.49 204.216,34.963 204.216,40.566 203.355,41.427

## Keep-outs
Keep-Out Layer:
  the board outline again, w1.2